# Altium PCB Fastino-DIOT.PCBDOC (part 10 of 22)
Units mm, origin at the board's own origin, x right, y up, seen from the top; angles counter-clockwise.
Board outline 222.63 x 100.1 mm, 8 copper layers (L1, L2, L3, P4, L5, L6, P7, L8), stack 1.563 mm thick; 1030 components, 787 nets, 3312 pads, 2498 vias.
Unrouted connection lines stored in the file: 424.
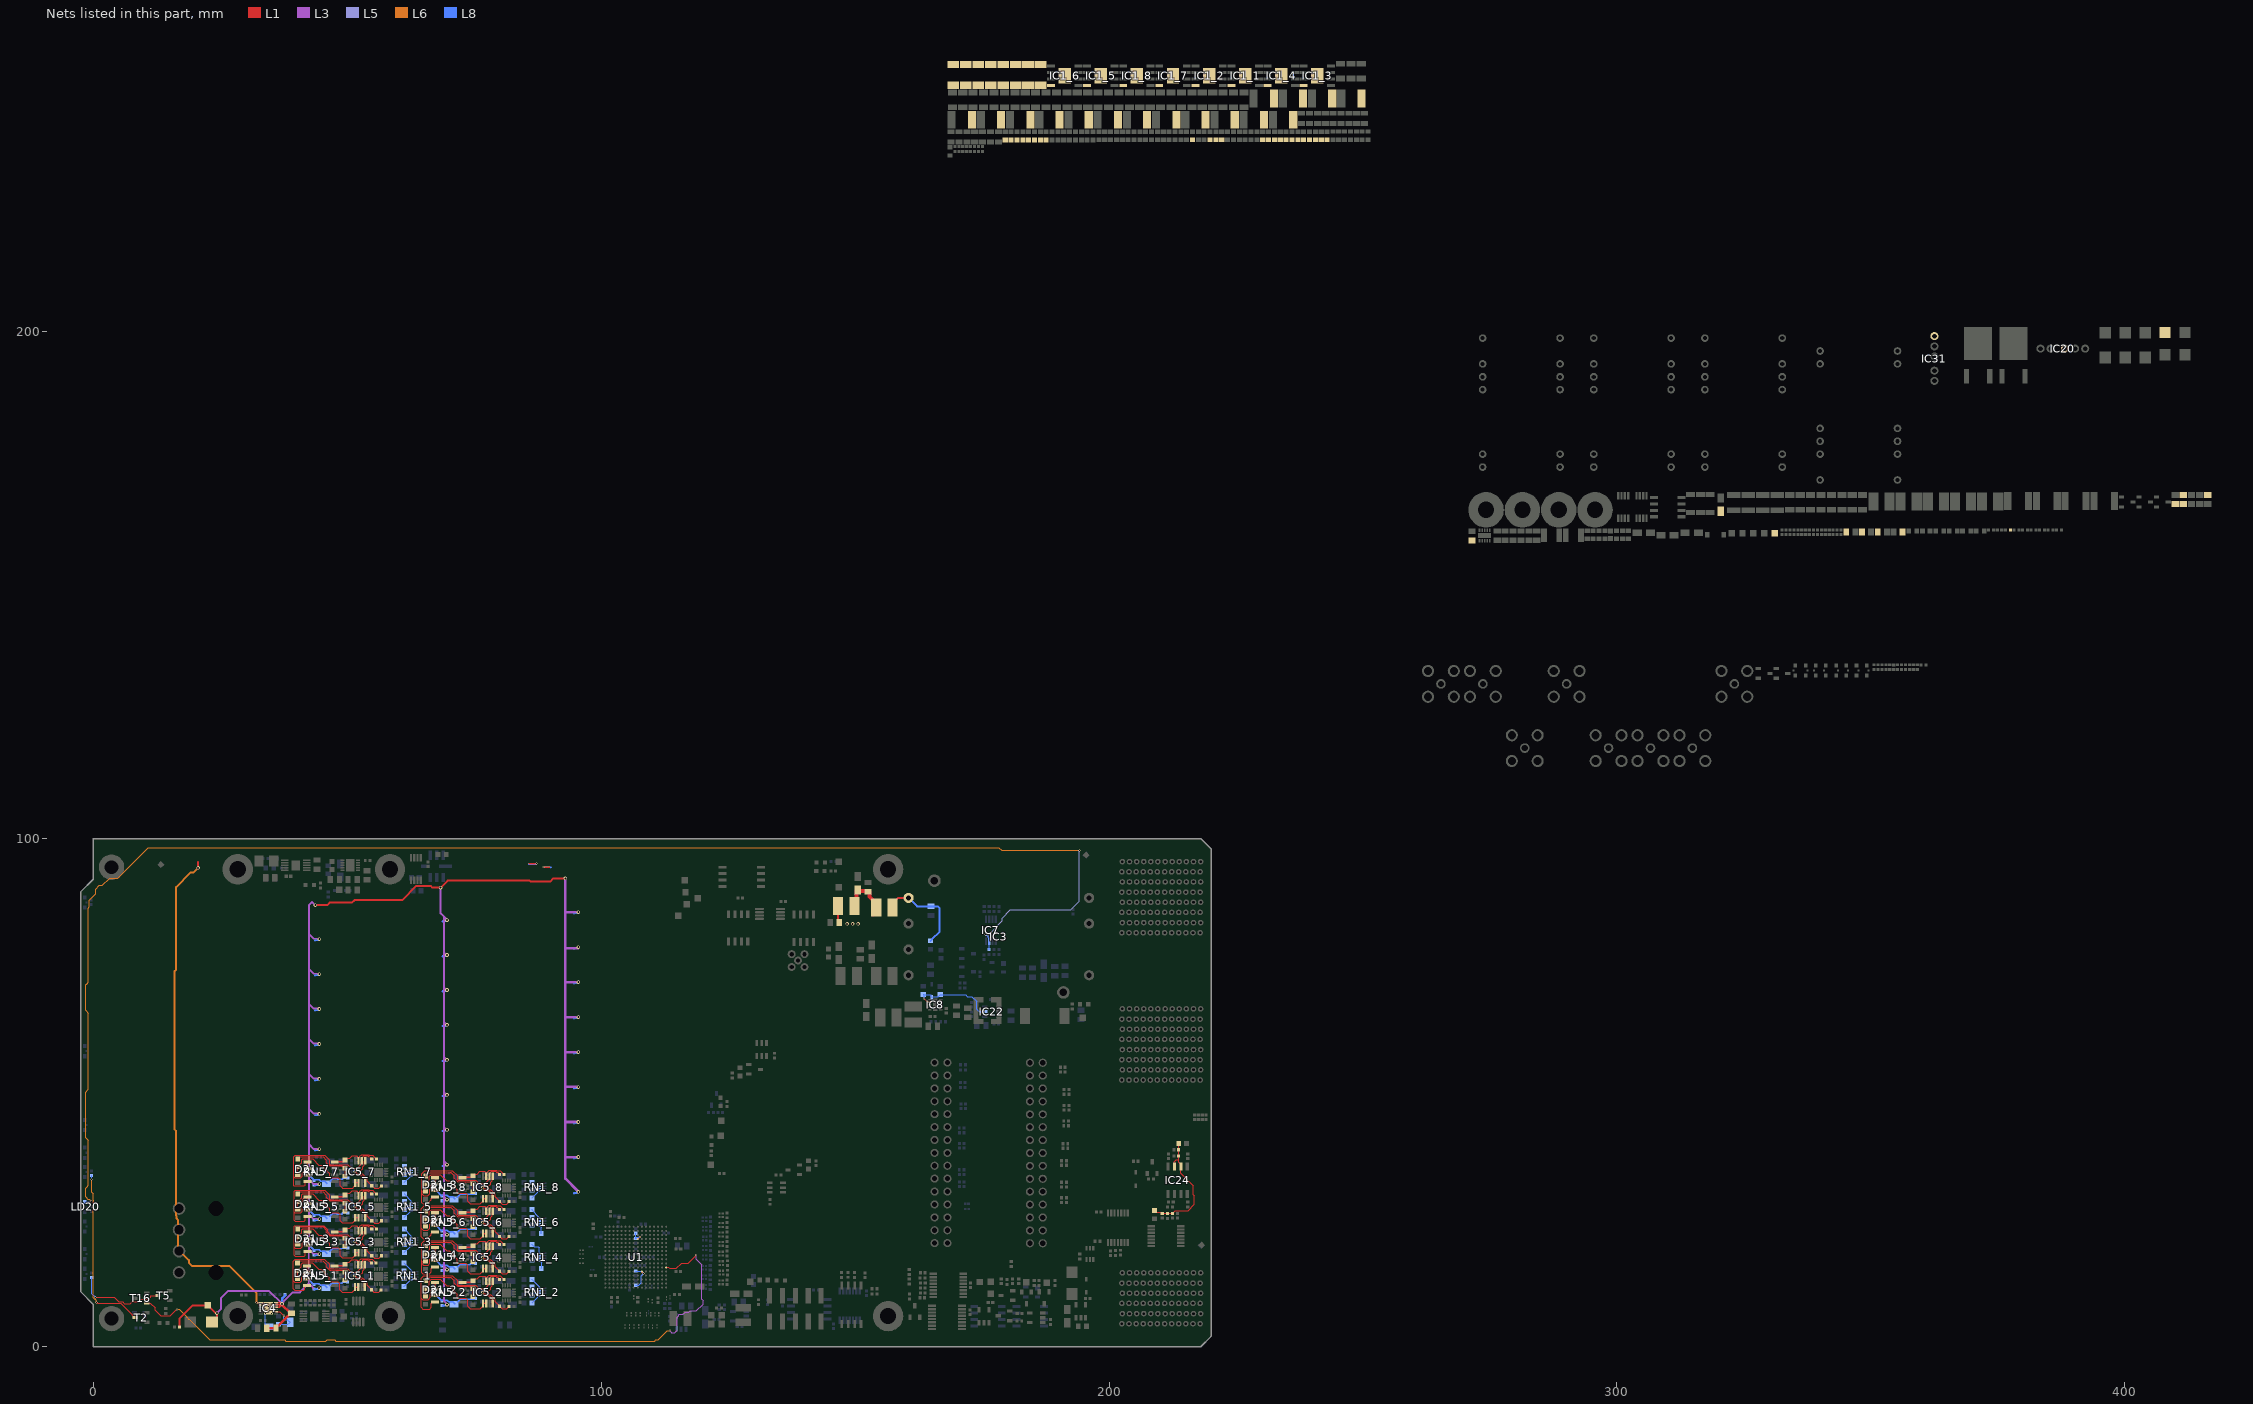
[diagram p16: the nets of this part, all layers, seen from the top]

## Via types
v1: diameter 0.4, hole 0.2, L1 to L8, tented both sides, 1919 vias
v2: diameter 0.5, hole 0.2, L1 to L8, tented both sides, 270 vias
v3: diameter 0.4, hole 0.2, L1 to L8, 170 vias
v4: diameter 0.7, hole 0.4, L1 to L8, tented both sides, 110 vias
v5: diameter 0.7, hole 0.4, L1 to L8, 29 vias

## Nets (pads, with @x,y where several pads share a name; then routed paths per layer and width w, separated by ;. In a path a pad name is that pad's centre, name@x,y a point inside that pad or via, vN(x,y) a via of type N, cw(c..) or ccw(c..) an arc to the next point about the centre after c; other vN are vias at no path point) (continued)
LED_OVT: IC7.3 LD20.1 R89.1 | length 297.3
  L6 w0.127: v1(-0.381,28.626) -0.815,29.059 -1.107,29.059 -1.541,29.493 -1.541,31.212 -1.44,31.312 -1.368,31.362 ccw(c-1.8,32) -1.162,31.568 -1.112,31.64 -1.016,31.737 -1.016,40.616 -1.541,41.14 -1.541,50.107 -1.016,50.631 -1.016,65.687 -1.541,66.212 -1.541,71.212 -1.44,71.312 -1.368,71.362 ccw(c-1.8,72) -1.162,71.568 -1.112,71.64 -1.016,71.737 -1.016,86.368 -0.79,86.593 -0.79,87.907 0.459,89.156 0.459,90.107 1.158,90.805 1.778,90.805 3.194,92.221 4.802,92.221 10.831,98.25 178.302,98.25 178.838,97.714 v1(194.183,97.714)
  L5 w0.127: v1@175.692,81.178 175.743,81.128 176.269,81.128 178.98,83.838 178.98,84.39 180.594,86.004 192.507,86.004 194.183,87.681 v1(194.183,97.714)
  L8 w0.127: LD20.1@-1.676,28.497 -0.51,28.497 v1(-0.381,28.626) ; v1(175.717,81.128) 176.176,80.669 176.176,80.553 176.41,80.319 IC7.3@176.41,79.794 176.403,79.786 176.403,78.245 R89.1@176.354,78.196
LED_PDONE: R143.1 T2.3 | length 34.4
  L1 w0.127: v1(0.61,8.687) 0.804,8.493 5.372,8.493 7.594,6.271 7.594,6.169 8.048,5.715 T2.3@8.248,5.715
  L6 w0.127: v1(-0.381,32.944) -0.381,30.428 -0.025,30.073 -0.025,28.822 0.009,28.788 0.009,28.464 -0.025,28.429 -0.025,28.258 0.009,28.224 0.009,27.9 -0.025,27.865 -0.025,9.652 0.041,9.585 0.041,9.516 0.27,9.287 0.34,9.287 0.557,9.069 0.557,8.739 v1(0.61,8.687)
  L8 w0.127: v1(-0.381,32.944) -0.381,33.642 R143.1@-0.356,33.668
LED_PGOOD: R55.1 T5.3 | length 17.8
  L1 w0.127: v1(0.432,9.677) 0.838,9.677 0.864,9.703 4.102,9.703 4.991,8.814 5.722,8.814 6.103,8.433 7.214,8.433 7.595,8.814 8.865,8.814 9.322,9.271 10.566,9.271 10.786,9.49 11.033,9.49 11.262,9.719 11.262,9.966 11.351,10.055 T5.3@12.698,10.055
  L8 w0.127: R55.1@-0.33,13.576 -0.33,10.439 v1(0.432,9.677)
LED_RED: T16.1 U1.F1 | length 136.7
  L1 w0.127: T16.1@10.474,8.575 11.189,8.575 12.139,7.625 12.139,7.162 13.251,6.05 15.154,6.05 v1(16.444,7.34) ; U1.F1@112.8,15.6 113.235,15.6 113.452,15.383 114.771,15.383 115.846,16.458 117.164,16.458 v1(118.708,18.002)
  L3 w0.127: v1@113.617,3.181 113.617,3.124 v1(113.543,3.124) 113.543,3.05 113.75,2.843 113.75,2.824 113.824,2.75 114.5,2.75 115,3.25 115,5.762 115.164,5.926 ; 115.227,5.993 115.227,6.302 115.339,6.413 116.055,6.413 116.133,6.492 116.278,6.492 116.525,6.739 117.24,6.739 117.534,7.033 118.717,7.033 120.066,8.382 120.066,9.093 119.813,9.346 119.813,16.077 118.696,17.194 118.696,17.99 v1(118.708,18.002)
  L6 w0.127: v1(16.444,7.34) 16.471,7.367 16.865,7.367 18.453,5.779 18.453,5.632 18.713,5.372 18.86,5.372 22.936,1.295 37.651,1.295 37.866,1.08 45.795,1.08 46.01,1.295 47.545,1.295 47.76,1.08 110.509,1.08 110.724,1.295 111.227,1.295 113.003,3.072 113.491,3.072 v1(113.543,3.124)
N12V0_CH_1: C92_1.2 C97_1.2 D21_1.1 IC5_1.4 L18_1.2 | length 16
  L1 w0.254: v2(51.41,13.919) 51.476,13.919 51.658,13.737 51.669,13.737 51.839,13.568 52.324,13.568 53.356,12.536 53.356,11.825 IC5_1.4@53.454,11.727
  L8 w0.203: C92_1.2@49.922,12.827 49.83,12.919 49.83,13.061 49.796,13.094 49.796,14.529 49.93,14.663 50.559,14.663 50.571,14.676 51.057,14.676 51.353,14.38 51.353,13.976 v2(51.41,13.919)
  L8 w0.254: D21_1.1@42.088,13.386 42.154,13.32 42.299,13.32 43.399,12.22 L18_1.2@43.409,12.22 ; L18_1.2@43.485,12.395 44.39,12.395 44.73,12.055 45.518,12.055 C97_1.2@46.016,11.557 ; C97_1.2@46.457,11.938 46.457,12.014 46.959,12.517 47.898,12.517 47.94,12.475 48.88,12.475 49.116,12.711 49.855,12.711 49.855,12.76 C92_1.2@49.922,12.827
N12V0_CH_2: C92_2.2 C97_2.2 D21_2.1 IC5_2.4 L18_2.2 | length 16
  L1 w0.254: v2(76.615,10.678) 76.682,10.678 76.864,10.497 76.875,10.497 77.045,10.327 77.53,10.327 78.561,9.296 78.561,8.585 IC5_2.4@78.659,8.487
  L8 w0.203: C92_2.2@75.128,9.586 75.035,9.679 75.035,9.82 75.002,9.853 75.002,11.288 75.136,11.422 75.764,11.422 75.777,11.435 76.262,11.435 76.558,11.139 76.558,10.735 v2(76.615,10.678)
  L8 w0.254: D21_2.1@67.293,10.145 67.36,10.079 67.505,10.079 68.604,8.979 L18_2.2@68.614,8.979 ; L18_2.2@68.69,9.154 69.595,9.154 69.936,8.814 70.723,8.814 C97_2.2@71.221,8.316 ; C97_2.2@71.662,8.697 71.662,8.773 72.206,9.317 75.061,9.317 75.128,9.384 C92_2.2@75.128,9.586
N12V0_CH_3: C92_3.2 C97_3.2 D21_3.1 IC5_3.4 L18_3.2 | length 16
  L1 w0.254: v2(51.464,20.638) 51.531,20.638 51.712,20.456 51.724,20.456 51.893,20.286 52.379,20.286 53.41,19.255 53.41,18.544 IC5_3.4@53.508,18.446
  L8 w0.203: C92_3.2@49.976,19.546 49.884,19.638 49.884,19.779 49.851,19.813 49.851,21.248 49.985,21.382 50.613,21.382 50.626,21.395 51.111,21.395 51.407,21.098 51.407,20.695 v2(51.464,20.638)
  L8 w0.254: D21_3.1@42.142,20.104 42.209,20.038 42.354,20.038 43.453,18.939 L18_3.2@43.463,18.939 ; L18_3.2@43.539,19.114 44.444,19.114 44.785,18.774 45.572,18.774 C97_3.2@46.07,18.276 ; C97_3.2@46.511,18.657 46.511,18.733 47.014,19.235 48.937,19.235 49.091,19.39 49.91,19.39 49.976,19.457 C92_3.2@49.976,19.546
N12V0_CH_4: C92_4.2 C97_4.2 D21_4.1 IC5_4.4 L18_4.2 | length 15.9
  L1 w0.254: v2(76.615,17.565) 76.682,17.565 76.864,17.383 76.875,17.383 77.045,17.213 77.53,17.213 78.561,16.182 78.561,15.471 IC5_4.4@78.659,15.373
  L8 w0.203: C92_4.2@75.128,16.473 75.035,16.565 75.035,16.707 75.002,16.74 75.002,18.175 75.136,18.309 75.764,18.309 75.777,18.322 76.262,18.322 76.558,18.026 76.558,17.622 v2(76.615,17.565)
  L8 w0.254: D21_4.1@67.293,17.032 67.36,16.965 67.505,16.965 68.604,15.866 L18_4.2@68.614,15.866 ; L18_4.2@68.69,16.041 69.595,16.041 69.936,15.701 70.723,15.701 C97_4.2@71.221,15.203 ; C97_4.2@71.662,15.584 71.662,15.66 72.165,16.162 74.088,16.162 74.282,16.357 75.061,16.357 75.128,16.424 C92_4.2@75.128,16.473
N12V0_CH_5: C92_5.2 C97_5.2 D21_5.1 IC5_5.4 L18_5.2 | length 16
  L1 w0.254: v2(51.464,27.524) 51.531,27.524 51.712,27.343 51.724,27.343 51.893,27.173 52.379,27.173 53.41,26.141 53.41,25.431 IC5_5.4@53.508,25.333
  L8 w0.203: C92_5.2@49.976,26.432 49.884,26.525 49.884,26.666 49.851,26.699 49.851,28.134 49.985,28.268 50.613,28.268 50.626,28.281 51.111,28.281 51.407,27.985 51.407,27.581 v2(51.464,27.524)
  L8 w0.254: D21_5.1@42.142,26.991 42.209,26.925 42.354,26.925 43.453,25.825 L18_5.2@43.463,25.825 ; L18_5.2@43.539,26 44.444,26 44.785,25.66 45.572,25.66 C97_5.2@46.07,25.162 ; C97_5.2@46.511,25.543 46.511,25.619 47.014,26.122 47.908,26.122 47.966,26.064 48.86,26.064 49.113,26.316 49.91,26.316 49.91,26.365 C92_5.2@49.976,26.432
N12V0_CH_6: C92_6.2 C97_6.2 D21_6.1 IC5_6.4 L18_6.2 | length 16
  L1 w0.254: v2(76.615,24.452) 76.682,24.452 76.864,24.27 76.875,24.27 77.045,24.1 77.53,24.1 78.561,23.069 78.561,22.358 IC5_6.4@78.659,22.26
  L8 w0.203: C92_6.2@75.128,23.359 75.035,23.452 75.035,23.593 75.002,23.627 75.002,25.062 75.136,25.196 75.764,25.196 75.777,25.208 76.262,25.208 76.558,24.912 76.558,24.508 v2(76.615,24.452)
  L8 w0.254: D21_6.1@67.293,23.918 67.36,23.852 67.505,23.852 68.604,22.753 L18_6.2@68.614,22.753 ; L18_6.2@68.69,22.928 69.595,22.928 69.936,22.587 70.723,22.587 C97_6.2@71.221,22.089 ; C97_6.2@71.662,22.47 71.662,22.547 72.206,23.091 75.061,23.091 75.128,23.158 C92_6.2@75.128,23.359
N12V0_CH_7: C92_7.2 C97_7.2 D21_7.1 IC5_7.4 L18_7.2 | length 16
  L1 w0.254: v2(51.464,34.411) 51.531,34.411 51.712,34.229 51.724,34.229 51.893,34.059 52.379,34.059 53.41,33.028 53.41,32.317 IC5_7.4@53.508,32.219
  L8 w0.203: C92_7.2@49.976,33.319 49.884,33.411 49.884,33.553 49.851,33.586 49.851,35.021 49.985,35.155 50.613,35.155 50.626,35.168 51.111,35.168 51.407,34.872 51.407,34.468 v2(51.464,34.411)
  L8 w0.254: D21_7.1@42.142,33.878 42.209,33.811 42.354,33.811 43.453,32.712 L18_7.2@43.463,32.712 ; L18_7.2@43.539,32.887 44.444,32.887 44.785,32.547 45.572,32.547 C97_7.2@46.07,32.049 ; C97_7.2@46.511,32.43 46.511,32.506 47.055,33.05 48.014,33.05 48.067,32.998 49.026,32.998 49.191,33.163 49.91,33.163 49.976,33.23 C92_7.2@49.976,33.319
N12V0_CH_8: C92_8.2 C97_8.2 D21_8.1 IC5_8.4 L18_8.2 | length 16
  L1 w0.254: v2(76.615,31.338) 76.682,31.338 76.864,31.156 76.875,31.156 77.045,30.987 77.53,30.987 78.561,29.955 78.561,29.244 IC5_8.4@78.659,29.146
  L8 w0.203: C92_8.2@75.128,30.246 75.035,30.338 75.035,30.48 75.002,30.513 75.002,31.948 75.136,32.082 75.764,32.082 75.777,32.095 76.262,32.095 76.558,31.799 76.558,31.395 v2(76.615,31.338)
  L8 w0.254: D21_8.1@67.293,30.805 67.36,30.739 67.505,30.739 68.604,29.639 L18_8.2@68.614,29.639 ; L18_8.2@68.69,29.814 69.595,29.814 69.936,29.474 70.723,29.474 C97_8.2@71.221,28.976 ; C97_8.2@71.662,29.357 71.662,29.433 72.248,30.019 75.061,30.019 75.128,30.086 C92_8.2@75.128,30.246
N12V0A: C30.2 C61.2 C62.2 D9.2 IC4.10 IC4.11 IC4.12 L18_1.1 L18_2.1 L18_3.1 L18_4.1 L18_5.1 L18_6.1 L18_7.1 L18_8.1 R18.1 R61.2 TP9.1 | length 408.2
  L1 w0.254: IC4.10@35.945,7.743 36.643,7.743 36.725,7.825 36.725,7.877 36.93,8.082 ; IC4.11@35.945,8.193 36.632,8.193 36.743,8.082 36.93,8.082 ; IC4.12@35.945,8.643 36.778,8.643 37.014,8.407 v4(37.135,8.407) 37.135,8.287 36.93,8.082
  L1 w0.381: R61.2@16.929,3.861 16.929,5.446 19.585,8.103 TP9.1@22.504,8.103 23.942,6.665 24.247,6.665 v4(24.308,6.604) 24.293,6.589 24.293,5.761 23.409,4.877 D9.2@23.334,4.877 ; v4@43.713,86.932 46.013,86.932 46.513,87.432 50.907,87.432 51.41,87.935 60.832,87.935 63.608,90.712 66.434,90.712 66.76,90.385 68.344,90.385 v4(68.353,90.394) ; v4@68.362,90.385 69.729,91.752 85.902,91.752 86.1,91.554 89.929,91.554 90.576,92.202 v4(92.951,92.202)
  L1 w0.508: C30.2@34.214,3.734 34.328,3.619 35.928,3.619 C61.2@35.941,3.632 35.941,3.807 36.212,4.078 36.32,4.078 38.071,5.83 38.071,5.839 C62.2@38.814,6.582 ; v4(37.135,8.407) 37.172,8.371 37.172,8.224 C62.2@38.814,6.582 ; C62.2@38.989,6.582 C62.2@38.814,6.582
  L3 w0.381: v4(24.308,6.604) 25.082,7.379 25.082,9.538 26.462,10.917 34.625,10.917 v4(37.135,8.407) 37.135,8.494 37.481,8.84 37.481,8.927 39.241,10.686 40.633,10.686 42.393,12.446 ; 42.393,19.219 42.393,12.446 ; 42.447,25.938 42.447,19.165 43.326,18.286 v4@44.332,18.286 ; 42.447,32.824 42.447,26.051 43.326,25.172 v4@44.332,25.172 ; 42.447,39.711 42.447,32.938 43.326,32.059 v4@44.332,32.059 ; 42.447,46.597 42.447,39.824 43.326,38.946 v4@44.332,38.946 ; 42.473,53.53 42.473,46.757 43.352,45.878 v4@44.358,45.878 ; 42.473,60.417 42.473,53.644 43.352,52.765 v4@44.358,52.765 ; 42.473,67.303 42.473,60.53 43.352,59.651 v4@44.358,59.651 ; 42.473,74.19 42.473,67.417 43.352,66.538 v4@44.358,66.538 ; 42.473,81.076 42.473,74.303 43.352,73.425 v4@44.358,73.425 ; 43.271,11.567 42.393,12.446 ; v4(43.713,86.944) 43.627,86.944 43.048,87.523 42.997,87.523 42.473,86.999 42.473,81.19 43.352,80.311 v4@44.358,80.311 ; v4(68.353,90.394) 68.362,90.385 68.362,85.321 69.05,84.633 ; 69.037,16.078 69.037,15.831 69.05,15.819 ; 69.05,16.078 69.05,22.705 ; v4@69.499,56.418 69.499,56.549 69.05,56.998 ; v4@69.52,70.251 69.058,70.714 69.05,70.714 ; v4@69.545,8.357 69.569,8.381 69.569,8.413 69.05,8.932 69.05,15.819 ; v4@69.558,63.398 69.05,63.906 ; v4@69.596,22.047 69.596,22.159 69.05,22.705 ; v4@69.596,42.697 69.545,42.697 69.291,42.951 69.05,42.951 ; v4(69.63,15.152) 69.63,15.238 69.05,15.819 ; v4@69.647,35.865 69.647,35.882 69.05,36.478 ; v4@69.647,77.089 69.569,77.089 69.213,77.445 69.05,77.445 ; v4@69.647,84.036 69.05,84.633 ; v4@69.672,28.931 69.583,28.931 69.05,29.464 ; v4@69.672,49.632 69.497,49.632 69.269,49.86 69.05,49.86 ; 69.05,22.705 69.05,29.464 ; 69.05,29.464 69.05,36.478 ; 69.05,36.478 69.05,42.951 ; 69.05,42.951 69.05,49.86 ; 69.05,49.86 69.05,56.998 ; 69.05,56.998 69.05,63.906 ; 69.05,63.906 69.05,70.714 ; 69.05,70.714 69.05,77.445 ; 69.05,77.445 69.05,84.633
  L3 w0.508: v4(92.951,92.202) 92.951,85.496 ; 94.234,31.826 v4@95.606,30.455 ; v4@95.453,51.079 95.453,51.111 95.417,51.148 95.384,51.148 95.352,51.181 92.951,51.181 ; v4@95.468,30.54 v4@95.529,30.48 ; v4@95.468,30.541 92.951,33.059 92.951,37.313 ; v4@95.479,44.247 95.457,44.225 93.074,44.225 92.951,44.348 ; v4@95.555,37.262 95.504,37.313 92.951,37.313 ; v4@95.555,58.039 95.514,57.998 v4(95.505,57.998) 92.992,57.998 92.951,58.039 ; v4@95.555,64.922 95.517,64.885 v4(95.505,64.885) 93.167,64.885 92.951,64.668 ; v4@95.555,71.831 95.504,71.78 92.951,71.78 ; v4@95.606,78.664 95.428,78.486 92.951,78.486 ; v4@95.606,85.547 95.555,85.496 92.951,85.496 ; 92.951,37.313 92.951,44.348 ; 92.951,44.348 92.951,51.181 ; 92.951,51.181 92.951,58.039 ; 92.951,58.039 92.951,64.668 ; 92.951,64.668 92.951,71.78 ; 92.951,71.78 92.951,78.486 ; 92.951,78.486 92.951,85.496
  L8 w0.381: R18.1@37.69,10.25 37.69,10.23 R18.1@37.789,10.131 ; L18_1.1@43.552,11.242 43.621,11.31 44.142,11.31 44.338,11.506 v4(44.425,11.506) ; L18_3.1@43.607,17.96 43.675,18.029 44.197,18.029 44.393,18.225 v4(44.479,18.225) ; L18_5.1@43.607,24.847 43.675,24.916 44.197,24.916 44.393,25.111 v4(44.479,25.111) ; L18_7.1@43.607,31.733 43.675,31.802 44.197,31.802 44.393,31.998 v4(44.479,31.998) ; 43.607,38.62 43.675,38.689 44.197,38.689 44.393,38.885 v4(44.479,38.885) ; 43.633,45.553 43.701,45.621 44.223,45.621 44.419,45.817 v4(44.505,45.817) ; 43.633,52.439 43.701,52.508 44.223,52.508 44.419,52.704 v4(44.505,52.704) ; 43.633,59.326 43.701,59.395 44.223,59.395 44.419,59.59 v4(44.505,59.59) ; 43.633,66.212 43.701,66.281 44.223,66.281 44.419,66.477 v4(44.505,66.477) ; 43.633,73.099 43.701,73.168 44.223,73.168 44.419,73.364 v4(44.505,73.364) ; 43.633,79.986 43.701,80.054 44.223,80.054 44.419,80.25 v4(44.505,80.25) ; L18_2.1@68.758,8.001 68.826,8.07 v4@69.348,8.07 ; L18_4.1@68.758,14.888 68.826,14.956 v4@69.348,14.956 ; L18_6.1@68.758,21.774 68.826,21.843 v4@69.348,21.843 ; L18_8.1@68.758,28.661 68.826,28.729 v4@69.348,28.729 ; 68.758,35.547 68.826,35.616 69.348,35.616 69.544,35.812 v4(69.63,35.812) ; 68.758,42.434 68.826,42.503 v4@69.348,42.503 ; 68.758,49.321 68.826,49.389 69.348,49.389 69.544,49.585 v4(69.63,49.585) ; 68.758,56.207 68.826,56.276 69.348,56.276 69.544,56.472 v4(69.63,56.472) ; 68.758,63.094 68.826,63.162 69.348,63.162 69.544,63.358 v4(69.63,63.358) ; 68.758,69.963 68.826,70.032 69.348,70.032 69.544,70.227 v4(69.63,70.227) ; 68.758,76.85 68.826,76.918 69.348,76.918 69.544,77.114 v4(69.63,77.114) ; 68.758,83.736 68.826,83.805 69.348,83.805 69.544,84.001 v4(69.63,84.001) ; 94.633,30.187 94.701,30.256 95.223,30.256 95.419,30.452 v4(95.505,30.452) ; 94.633,37.074 94.701,37.142 95.223,37.142 95.419,37.338 v4(95.505,37.338) ; 94.633,43.96 94.701,44.029 95.223,44.029 95.419,44.225 v4(95.505,44.225) ; 94.633,50.847 94.701,50.916 95.223,50.916 95.419,51.111 v4(95.505,51.111) ; 94.633,57.733 94.701,57.802 v4@95.223,57.802 ; 94.633,64.62 94.701,64.689 v4@95.223,64.689 ; 94.633,71.507 94.701,71.575 95.223,71.575 95.419,71.771 v4(95.505,71.771) ; 94.633,78.393 94.701,78.462 95.223,78.462 95.419,78.658 v4(95.505,78.658) ; 94.633,85.28 94.701,85.349 95.223,85.349 95.419,85.544 v4(95.505,85.544)
  L8 w0.508: v4(37.135,8.407) 37.172,8.444 37.172,9.486 R18.1@37.77,10.084
  other v4: 69.63,8.265 69.63,22.039 69.63,28.925 69.63,42.698
N13V0: C19.2 C44.2 IC4.1 IC4.2 IC4.13 L13.2 | length 112.8
  L1 w0.127: v1(32.08,8.636) 32.084,8.64 32.686,8.64 IC4.1@32.715,8.611 ; IC4.2@32.945,8.193 33.644,8.193 IC4.13@33.884,8.433 ; IC4.1@32.945,8.643 34.689,8.643 IC4.13@34.976,8.357
  L1 w0.381: v4(20.619,94.285) 20.619,95.45 ; L13.2@146.9,86.5 L13.2@146.65,86.75 146.65,84.01 146.809,83.85 C44.2@147.15,83.85 ; v4@149.4,83.25 v4(149.5,83.25)
  L6 w0.381: v4(20.619,94.285) 19.659,93.325 19.083,93.325 16.264,90.506 16.264,74.197 15.996,73.928 15.996,42.734 16.264,42.465 16.264,25.774 16.374,25.665 16.374,25.236 16.641,24.969 16.641,19.206 18.812,17.036 18.812,16.524 19.497,15.839 20.009,15.839 23.516,15.839 26.806,15.839 32.08,10.564 v1(32.08,8.636)
  L8 w0.127: v3@33.833,6.528 33.833,4.321 34.394,3.759 C19.2@34.595,3.759
  L8 w0.152: v1(32.08,8.636) 33.428,8.636 33.517,8.547 33.517,8.077
  other v3: 33.849,6.528 35.042,6.528 34.445,7.018 33.816,7.461 34.978,7.518 34.445,7.868 34.978,8.385 33.907,8.421
  other v4: 150.597,83.236 148.416,83.25
N13V0_FLT: C18.2 C42.2 L12.2 L13.1 | length 11.7
  L1 w0.762: L13.1@150.35,85.75 149.85,86.25 L13.1@149.85,86.75 150.256,87.156 150.256,89.706 C18.2@150.5,89.95 ; C18.2@150.646,89.744 152.356,89.744 C42.2@152.5,89.6 ; C42.2@152.819,89.456 152.819,88.579 154.166,87.232 L12.2@154.166,86.482 154.166,85.732 L12.2@153.547,85.113
N13V0S: C40.2 IC3.4 L12.1 R19.1 | length 18.5
  L1 w0.381: L12.1@157.366,86.482 157.366,87.232 158.505,88.372 IC3.4@160.528,88.372
  L8 w0.381: IC3.4@160.528,88.372 162.21,86.69 C40.2@164.98,86.69 166.232,86.69 166.642,86.28 166.642,81.719 165.121,80.198 165.121,80.148 164.861,79.888 R19.1@164.811,79.888
N24VA: C7_1.1 C7_2.1 C7_3.1 C7_4.1 C7_5.1 C7_6.1 C7_7.1 C7_8.1 C120.2 C124.2 D10.2 IC1_1.4 IC1_1.9 IC1_2.4 IC1_2.9 IC1_3.4 IC1_3.9 IC1_4.4 IC1_4.9 IC1_5.4 IC1_5.9 IC1_6.4 IC1_6.9 IC1_7.4 IC1_7.9 IC1_8.4 IC1_8.9 L14.2 R125.2 TP13.1
NetC1_1_1: C1_1.1 IC5_1.1 IC5_1.2 R2_1.1 | length 18.6
  L1 w0.127: IC5_1.1@51.582,11.322 IC5_1.1@51.665,11.239
  L1 w0.203: R2_1.1@40.174,13.401 R2_1.1@40.174,13.682 ; C1_1.1@40.174,14.95 C1_1.1@40.386,15.162 ; C1_1.1@40.386,15.011 C1_1.1@40.386,15.162 ; 48.937,10.785 48.934,10.785 ; IC5_1.1@51.452,11.216 51.452,11.15 51.38,11.079 51.314,11.079 50.969,10.734 48.985,10.734 48.934,10.785 ; IC5_1.1@51.582,11.322 IC5_1.1@51.629,11.369 ; C1_1.1@40.386,15.162 40.97,15.746 40.97,16.256 41.173,16.459 43.104,16.459 44.348,15.215 44.887,15.215 45.609,14.493 45.609,14.367 46.469,13.507 46.469,12.89 46.603,12.756 48.129,12.756 48.536,12.349 48.536,11.183 48.934,10.785
  L1 w0.254: R2_1.1@40.107,13.614 40.174,13.682 C1_1.1@40.174,14.95 ; IC5_1.1@51.511,11.735 51.519,11.727 IC5_1.2@52.154,11.727
NetC1_1_2: C1_1.2 R9_1.2 R11_1.1 | length 11.8
  L1 w0.127: C1_1.2@40.579,16.855 40.585,16.862 43.794,16.862 43.798,16.866 45.155,16.866 45.834,16.186 45.834,15.759 46.513,15.08 48.82,15.08 48.868,15.032 49.312,15.032 R9_1.2@49.572,14.772
  L1 w0.203: R9_1.2@49.521,14.342 R9_1.2@49.521,14.645
  L1 w0.254: R11_1.1@49.521,13.071 49.521,14.342 R9_1.2@49.581,14.402
NetC1_2_1: C1_2.1 IC5_2.1 IC5_2.2 R2_2.1 | length 18.2
  L1 w0.127: IC5_2.1@76.788,8.081 IC5_2.1@76.871,7.998
  L1 w0.203: R2_2.1@65.303,9.957 65.43,10.084 C1_2.1@65.43,11.455 ; C1_2.1@65.583,11.633 65.608,11.633 66.159,12.184 66.159,12.863 66.515,13.218 68.309,13.218 69.554,11.974 70.093,11.974 70.814,11.252 70.814,11.126 71.675,10.266 71.675,9.649 71.809,9.515 73.335,9.515 73.741,9.109 73.741,7.942 74.14,7.544 ; 74.143,7.544 74.14,7.544 ; IC5_2.1@76.657,7.976 76.657,7.91 76.586,7.838 76.52,7.838 76.175,7.493 74.19,7.493 74.14,7.544 ; IC5_2.1@76.788,8.081 IC5_2.1@76.835,8.128
  L1 w0.254: IC5_2.1@76.717,8.494 76.724,8.487 IC5_2.2@77.359,8.487
NetC1_2_2: C1_2.2 R9_2.2 R11_2.1 | length 12.1
  L1 w0.127: C1_2.2@65.634,13.183 65.658,13.183 66.096,13.621 70.356,13.621 70.36,13.625 71.04,12.945 71.04,12.518 71.719,11.839 74.026,11.839 74.074,11.791 74.518,11.791 R9_2.2@74.778,11.532
  L1 w0.203: R9_2.2@74.727,11.101 R9_2.2@74.727,11.405
  L1 w0.254: R11_2.1@74.727,9.83 74.727,11.101 R9_2.2@74.786,11.161
NetC1_3_1: C1_3.1 IC5_3.1 IC5_3.2 R2_3.1 | length 20
  L1 w0.127: IC5_3.1@51.637,18.04 IC5_3.1@51.72,17.957
  L1 w0.203: R2_3.1@40.229,20.119 C1_3.1@40.229,21.669 41.016,22.456 ; 48.992,17.503 48.988,17.503 ; IC5_3.1@51.506,17.935 51.506,17.869 51.435,17.798 51.369,17.798 51.024,17.452 49.039,17.452 48.988,17.503 ; IC5_3.1@51.637,18.04 IC5_3.1@51.684,18.087 ; 41.025,22.465 41.025,22.975 41.228,23.178 43.158,23.178 44.403,21.933 44.942,21.933 45.663,21.212 45.663,21.085 46.524,20.225 46.524,19.608 46.657,19.474 48.184,19.474 48.59,19.068 48.59,17.901 48.988,17.503 ; 41.025,22.465 40.441,21.881 41.025,22.465
  L1 w0.254: IC5_3.1@51.566,18.453 51.573,18.446 IC5_3.2@52.208,18.446
NetC1_3_2: C1_3.2 R9_3.2 R11_3.1 | length 15
  L1 w0.127: R9_3.2@49.627,21.491 49.367,21.75 48.923,21.75 48.875,21.798 46.568,21.798 45.889,22.478 45.889,22.905 45.209,23.584 43.852,23.584 43.848,23.58 ; 43.848,23.58 40.64,23.58 43.848,23.58
  L1 w0.203: R9_3.2@49.576,21.061 R9_3.2@49.576,21.364
  L1 w0.254: R11_3.1@49.576,19.789 49.576,21.061 R9_3.2@49.635,21.12
NetC1_4_1: C1_4.1 IC5_4.1 IC5_4.2 R2_4.1 | length 17.8
  L1 w0.127: IC5_4.1@76.788,14.967 IC5_4.1@76.871,14.885
  L1 w0.203: C1_4.1@65.43,18.342 65.456,18.317 R2_4.1@65.456,16.916 ; C1_4.1@65.837,18.694 66.275,19.132 66.275,19.865 66.515,20.105 68.309,20.105 69.554,18.86 70.093,18.86 70.814,18.139 70.814,18.013 71.675,17.152 71.675,16.535 71.809,16.401 73.335,16.401 73.741,15.995 73.741,14.829 74.14,14.43 ; 74.143,14.43 74.14,14.43 ; IC5_4.1@76.657,14.862 76.657,14.796 76.586,14.725 76.52,14.725 76.175,14.38 74.19,14.38 74.14,14.43 ; IC5_4.1@76.788,14.967 IC5_4.1@76.835,15.015
  L1 w0.254: IC5_4.1@76.717,15.381 76.724,15.373 IC5_4.2@77.359,15.373
NetC1_4_2: C1_4.2 R9_4.2 R11_4.1 | length 12.1
  L1 w0.127: C1_4.2@65.71,19.99 65.71,20.121 65.842,20.253 66.25,20.253 66.504,20.507 70.356,20.507 70.36,20.511 71.04,19.832 71.04,19.405 71.719,18.726 74.026,18.726 74.074,18.678 74.518,18.678 R9_4.2@74.778,18.418